# Altium PCB FMC_ADC_128CH_10B.PcbDoc (part 14 of 14)
Units mm, origin at the board's own origin, x right, y up, seen from the top; angles counter-clockwise.
Board outline 76.5 x 69 mm, 8 copper layers (Top Layer, Int1 (Sign), Int2 (GND), Int3 (Sign), Int4 (Sign), Int5 (GND), Int6 (Sign), Bottom Layer), stack 1.433 mm thick; 815 components, 661 nets, 3772 pads, 2072 vias.
Unrouted connection lines stored in the file: 135.
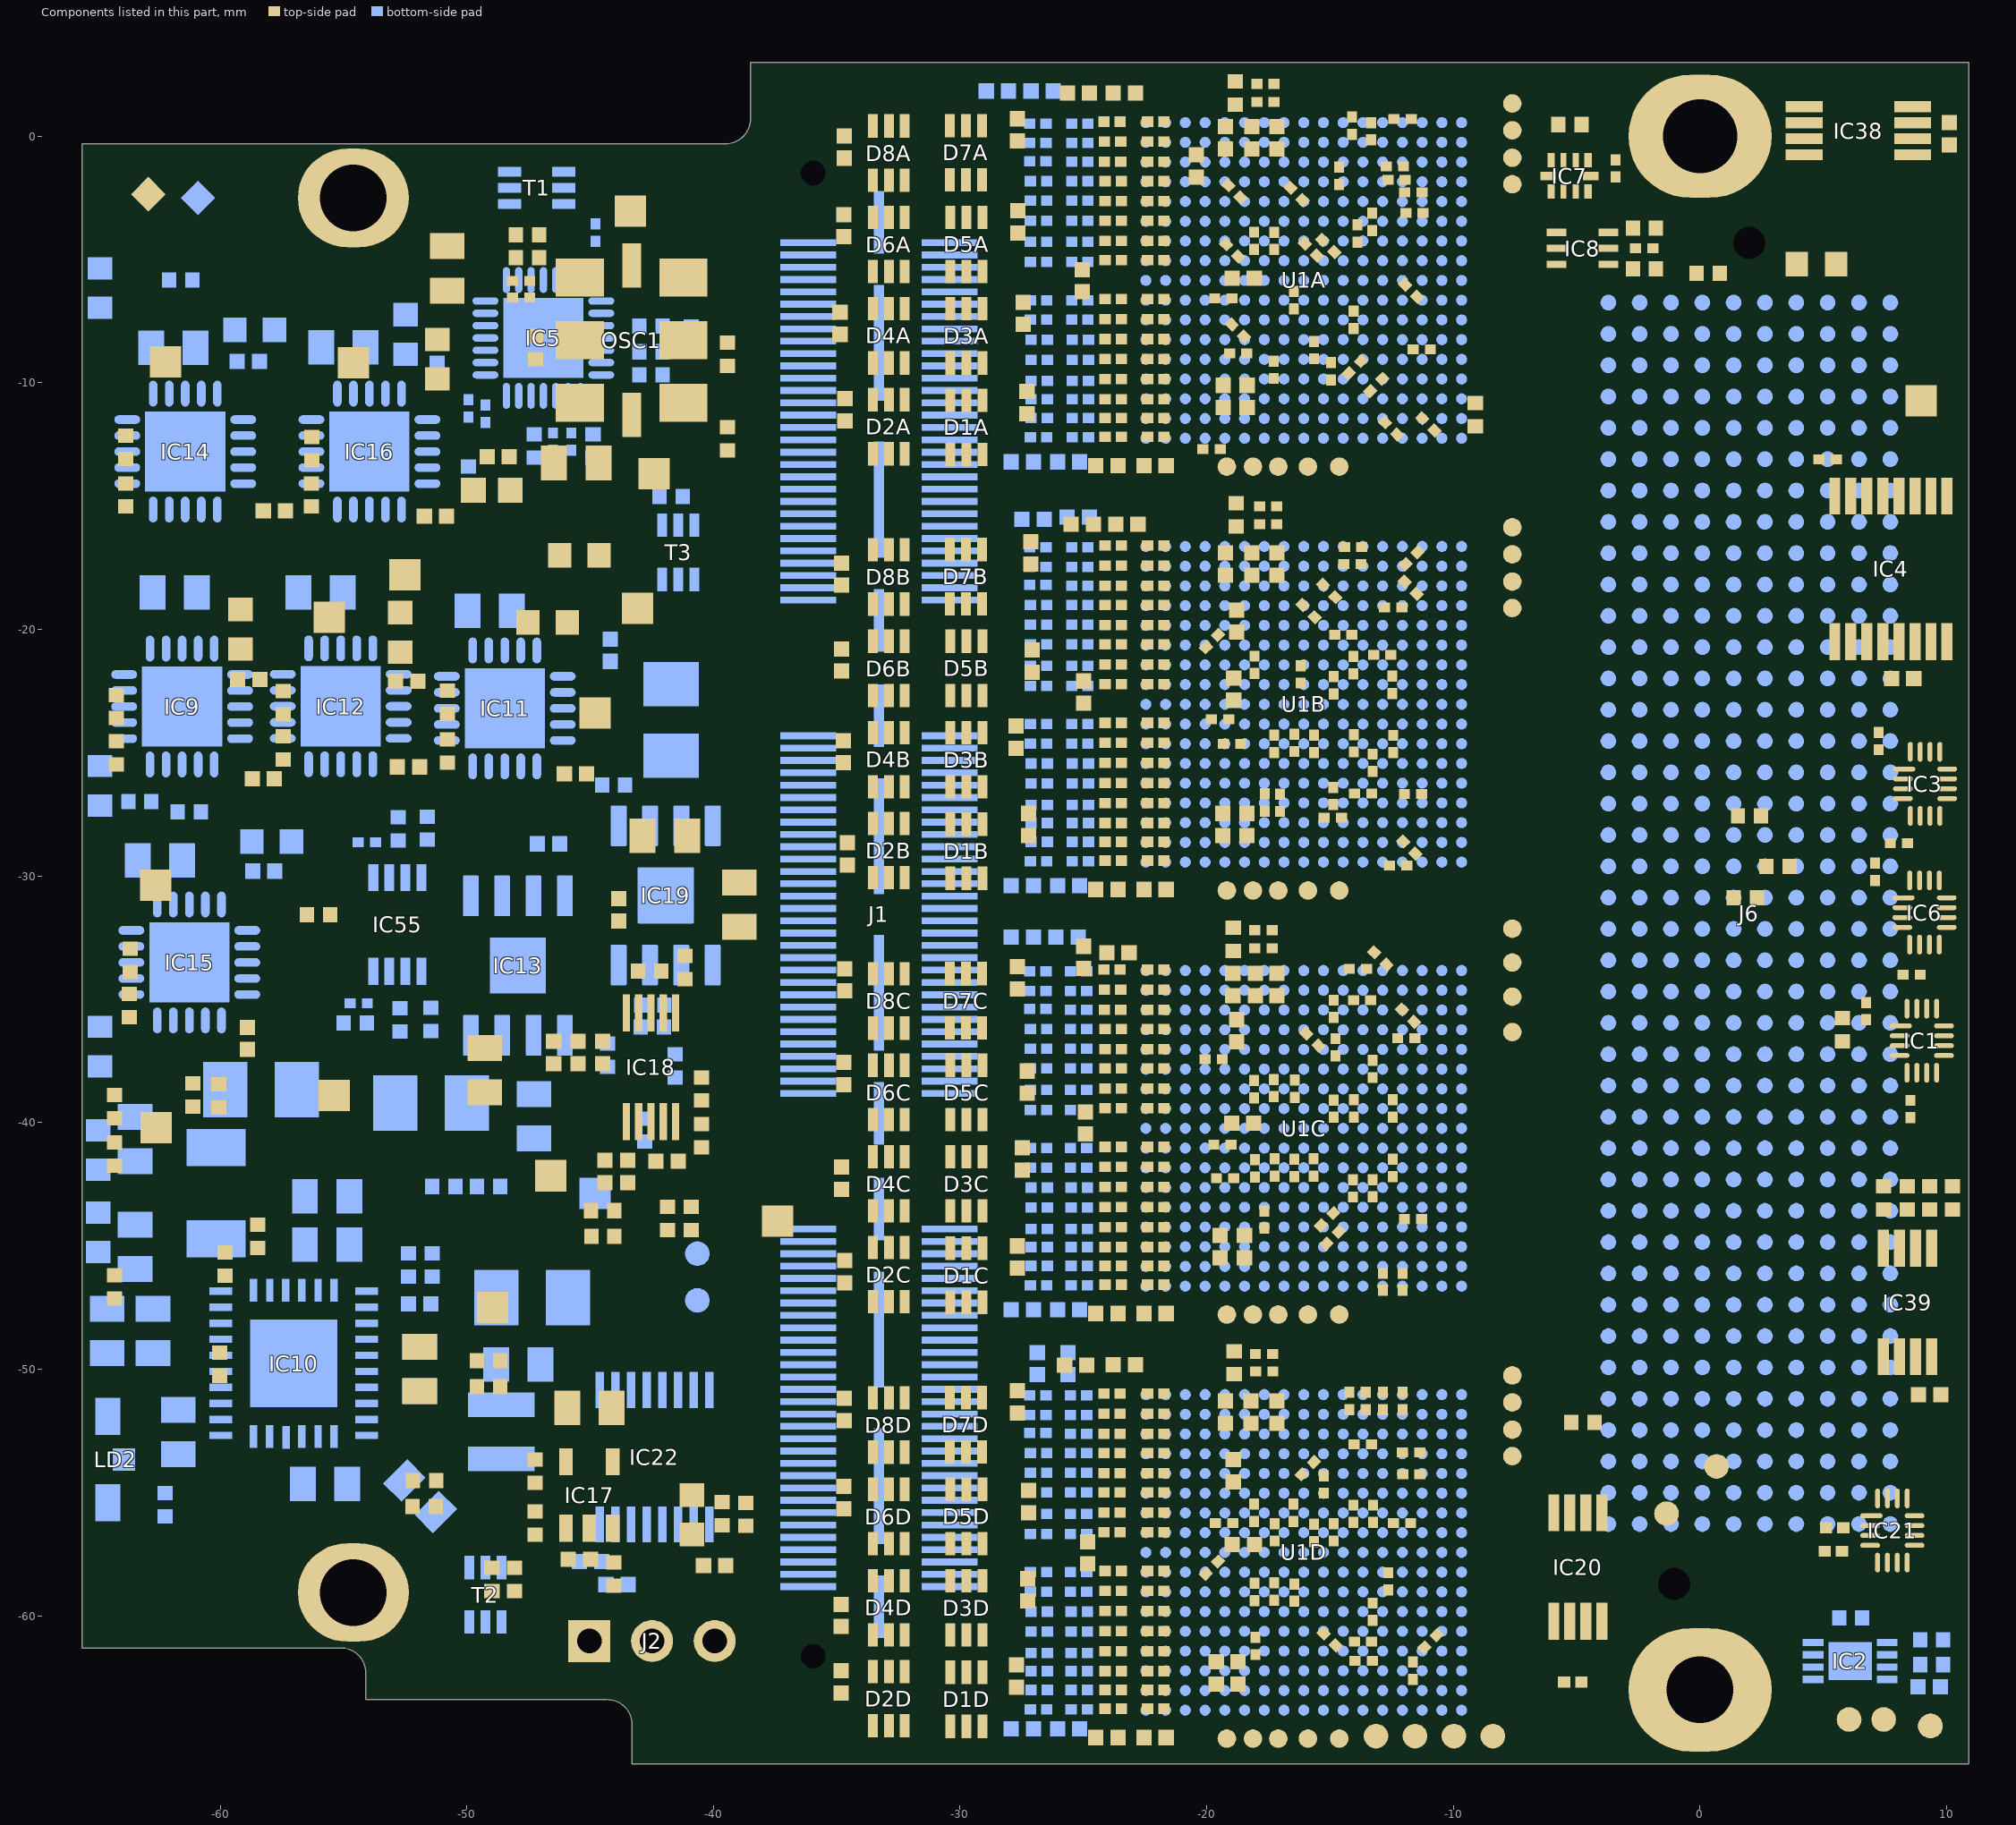
[diagram p20: the components of this part, seen from the top]

## Polygon pours and split planes (outlines as drawn) (continued)
GND on Int5 (GND) (split plane): 10.389,-65.49 -42.79,-65.49 -42.79,-64.4 -42.79,-64.398 -42.799,-64.231 -42.828,-64.064 -42.874,-63.901 -42.939,-63.745 -43.021,-63.596 -43.119,-63.458 -43.232,-63.332 -43.358,-63.219 -43.496,-63.121 -43.645,-63.039 -43.801,-62.974 -43.964,-62.928 -44.131,-62.899 -44.298,-62.89 -44.3,-62.89 -53.59,-62.89 -53.59,-62.3 -53.59,-62.298 -53.599,-62.131 -53.628,-61.964 -53.674,-61.801 -53.739,-61.645 -53.821,-61.496 -53.919,-61.358 -54.032,-61.232 -54.158,-61.119 -54.296,-61.021 -54.445,-60.939 -54.601,-60.874 -54.764,-60.828 -54.931,-60.799 -55.098,-60.79 -55.1,-60.79 -65.09,-60.79 -65.09,-0.81 -39.5,-0.81 -39.498,-0.81 -39.331,-0.801 -39.164,-0.773 -39.001,-0.726 -38.845,-0.661 -38.696,-0.579 -38.558,-0.481 -38.432,-0.368 -38.319,-0.242 -38.221,-0.104 -38.139,0.045 -38.074,0.201 -38.028,0.364 -37.999,0.531 -37.99,0.698 -37.99,0.7 -37.99,2.49 10.389,2.49

## Keep-outs
Keep-Out Layer:
  drawing of 5853 lines, arcs and shapes, not listed

## Other copper
Top Layer:
  rectangle net GND: -42.909,-31.636 -41.046,-29.696
  rectangle net GND: -48.966,-34.565 -47.103,-32.625
  rectangle net P1V8: -51.198,-19.91 -50.361,-18.488
  rectangle net GND: -62.868,-35.15 -59.615,-31.897
  rectangle net GND: -55.568,-14.386 -52.394,-11.147
  rectangle net GND: -58.896,-51.625 -55.157,-47.894
  rectangle net GND: -50.072,-24.854 -46.819,-21.601
  rectangle net GND: -56.672,-24.754 -53.419,-21.501
  rectangle net GND: -63.072,-14.354 -59.819,-11.101
  rectangle net GND: -63.172,-24.754 -59.919,-21.501
Int1 (Sign):
  rectangle net P1V8D: -12.858,-16.099 -11.574,-13.181
Bottom Layer:
  rectangle net NetC81_2: -62.12,-48.285 -61.216,-46.783
  rectangle net P1V4: -53.844,-43.854 -52.26,-42.406
  rectangle net P2V1: -64.211,-38.816 -61.452,-37.257
Int5 (GND) (plane layer: these items are gaps in the copper):
  rectangle: -22.975,-12.606 -19.935,0.766
  rectangle: -22.975,-29.795 -19.935,-16.423
  rectangle: -22.975,-46.99 -19.935,-33.618
  rectangle: -22.975,-64.186 -19.935,-50.814
Int2 (GND) (plane layer: these items are gaps in the copper):
  rectangle: -22.997,-64.184 -19.938,-50.871
  rectangle: -22.997,-46.988 -19.938,-33.675
  rectangle: -22.997,-29.792 -19.938,-16.479
  rectangle: -22.997,-12.604 -19.938,0.709

## Silkscreen, mask and mechanical layers (free items; w line width, h text height)
Top Overlay:
  drawing of 6 lines, arcs and shapes, not listed
  text "SCL" at -41.987,-3.349 h0.6
  text "P3V15A" at -63.89,-7.798 h0.6
  text "P1V2D" at -55.878,-7.849 h0.6
  text "SENEA" at 7.626,-9.295 h0.6
  text "2025" at -0.415,-13.312 h1
  text "SDA" at -40.802,-14.179 h0.6
  text "P1V8" at -53.446,-16.379 h0.6
  text "P1V9A" at -57.006,-18.184 h0.6
  text "P1V8A" at -41.786,-19.511 h0.6
  text "P1V8D" at -43.47,-23.611 h0.6
  text "P2V5A" at -61.256,-30.738 h0.6
  text "v1.1" at -2.522,-33.611 h1 r90
  text "FMC ADC 128CH 10B" at -4.202,-40.109 h1 r90
  text "GND" at -56.213,-40.743 h0.6
  text "P2V1" at -61.45,-41.067 h0.6
  text "V_PROT" at -51.408,-42.444 h0.6
  text "IN_N" at -38.693,-45.917 h0.6
  text "P3V3" at -47.586,-47.798 h0.6
  text "GND" at -45.831,-59.928 h0.6
  text "SCL" at -43.188,-59.928 h0.6
  text "SDA" at -40.699,-59.928 h0.6
  text "Reset" at -8.245,-63.725 h0.6 r90
  text "SDOUT" at -7.02,-63.725 h0.6 r90
  text "SCLK" at -4.425,-65.466 h0.6 r90
  text "SDIN" at -3.2,-65.466 h0.6 r90
  text "SCL" at 4.047,-65.55 h0.6
  text "SDA" at 6.501,-65.55 h0.6
Bottom Overlay:
  circle w0.1: c-54.6,-2.5 r1.025
  circle w0.1: c-54.6,-59.05 r1.025
  lines w0.1: -66.6,-56.8 -54.6,-56.8 cw(c-54.6,-59.05) -54.6,-61.3 -65.6,-61.3 -65.6,-60 -67.05,-60 ; -66.6,-56.775 -66.6,-4.775 ; -66.6,-4.75 -54.6,-4.75 ccw(c-54.6,-2.5) -54.6,-0.25 -65.6,-0.25 -65.6,-1.55 -67.05,-1.55 ; -55.6,-59.05 -53.6,-59.05 ; -55.6,-2.5 -53.6,-2.5 ; -54.6,-60.05 -54.6,-58.05 ; -54.6,-3.5 -54.6,-1.5 ; -68.65,-60 cw(c-67.85,-60) -67.05,-60 ; -68.65,-60 -68.65,-1.55 ; -68.65,-60 -69.1,-60 -69.1,-1.55 -68.65,-1.55 ; -68.65,-1.55 ccw(c-67.85,-1.55) -67.05,-1.55 ; -67.05,-60 -67.05,-1.55
  lines w0.15: -64.75,-46.26 -64.305,-46.704 -62.506,-46.704 ; -64.599,-39.371 -63.869,-38.641 -60.97,-38.641
  text "CLK SEL" at -65.193,-11.68 h0.6 r270
  text "P2V5A" at -65.327,-24.107 h0.6 r270
  text "P3V3_FMC" at -65.185,-34.173 h0.6 r270
  text "P1V8A" at -61.043,-38.358 h0.6
  text "EN_P1V2D" at -38.082,-43.155 h0.7
  text "TP16" at -41.405,-45.702 h0.7
  text "12V" at -60.878,-46.511 h0.65
  text "TP17" at -41.405,-47.449 h0.7
  text "Pgood" at -58.137,-56.196 h0.7
Mechanical 1:
  drawing of 672 lines, arcs and shapes, not listed
  text "Layer" at 43.954,65.703 h1.52
  text "Name" at 54.366,65.703 h1.52
  text "Material" at 88.138,65.703 h1.52
  text "Thickness" at 108.706,65.703 h1.52
  text "Constant" at 125.212,65.703 h1.52
  text "Board Layer Stack" at 139.687,65.703 h1.52
  text "Top Overlay" at 54.366,62.655 h1.52
  text "Top Solder" at 54.366,59.607 h1.52
  text "SM-001" at 88.138,59.607 h1.52
  text "0,025mm" at 108.706,59.607 h1.52
  text "4" at 125.212,59.607 h1.52
  text "Top Surface Finish" at 54.366,56.559 h1.52
  text "Nickel, Gold" at 88.138,56.559 h1.52
  text "0,004mm" at 108.706,56.559 h1.52
  text "1" at 43.954,53.511 h1.52
  text "Top Layer" at 54.366,53.511 h1.52
  text "CF-004" at 88.138,53.511 h1.52
  text "0,035mm" at 108.706,53.511 h1.52
  text "Dielectric 1" at 54.366,50.463 h1.52
  text "PP-006" at 88.138,50.463 h1.52
  text "0,071mm" at 108.706,50.463 h1.52
  text "4.1" at 125.212,50.463 h1.52
  text "Dielectric 2" at 54.366,47.415 h1.52
  text "PP-006" at 88.138,47.415 h1.52
  text "0,071mm" at 108.706,47.415 h1.52
  text "4.1" at 125.212,47.415 h1.52
  text "2" at 43.954,44.367 h1.52
  text "Int1 (Sign)" at 54.366,44.367 h1.52
  text "CF-004" at 88.138,44.367 h1.52
  text "0,018mm" at 108.706,44.367 h1.52
  text "Dielectric 3" at 54.366,41.319 h1.52
  text "Core-027" at 88.138,41.319 h1.52
  text "0,229mm" at 108.706,41.319 h1.52
  text "4.5" at 125.212,41.319 h1.52
  text "3" at 43.954,38.271 h1.52
  text "Int2 (GND)" at 54.366,38.271 h1.52
  text "CF-004" at 88.138,38.271 h1.52
  text "0,018mm" at 108.706,38.271 h1.52
  text "Dielectric 4" at 54.366,35.223 h1.52
  text "PP-006" at 88.138,35.223 h1.52
  text "0,071mm" at 108.706,35.223 h1.52
  text "4.1" at 125.212,35.223 h1.52
  text "Dielectric 5" at 54.366,32.175 h1.52
  text "PP-006" at 88.138,32.175 h1.52
  text "0,071mm" at 108.706,32.175 h1.52
  text "4.1" at 125.212,32.175 h1.52
  text "4" at 43.954,29.127 h1.52
  text "Int3 (Sign)" at 54.366,29.127 h1.52
  text "CF-004" at 88.138,29.127 h1.52
  text "0,018mm" at 108.706,29.127 h1.52
  text "Dielectric 6" at 54.366,26.079 h1.52
  text "Core-027" at 88.138,26.079 h1.52
  text "0,229mm" at 108.706,26.079 h1.52
  text "4.5" at 125.212,26.079 h1.52
  text "5" at 43.954,23.031 h1.52
  text "Int4 (Sign)" at 54.366,23.031 h1.52
  text "CF-004" at 88.138,23.031 h1.52
  text "0,018mm" at 108.706,23.031 h1.52
  text "Dielectric 7" at 54.366,19.983 h1.52
  text "PP-006" at 88.138,19.983 h1.52
  text "0,071mm" at 108.706,19.983 h1.52
  text "4.1" at 125.212,19.983 h1.52
  text "Dielectric 8" at 54.366,16.935 h1.52
  text "PP-006" at 88.138,16.935 h1.52
  text "0,071mm" at 108.706,16.935 h1.52
  text "4.1" at 125.212,16.935 h1.52
  text "6" at 43.954,13.887 h1.52
  text "Int5 (GND)" at 54.366,13.887 h1.52
  text "CF-004" at 88.138,13.887 h1.52
  text "0,018mm" at 108.706,13.887 h1.52
  text "Dielectric 9" at 54.366,10.839 h1.52
  text "Core-027" at 88.138,10.839 h1.52
  text "0,229mm" at 108.706,10.839 h1.52
  text "4.5" at 125.212,10.839 h1.52
  text "7" at 43.954,7.791 h1.52
  text "Int6 (Sign)" at 54.366,7.791 h1.52
  text "CF-004" at 88.138,7.791 h1.52
  text "0,018mm" at 108.706,7.791 h1.52
  text "Dielectric 10" at 54.366,4.743 h1.52
  text "PP-006" at 88.138,4.743 h1.52
  text "0,071mm" at 108.706,4.743 h1.52
  text "4.1" at 125.212,4.743 h1.52
  text "Dielectric 11" at 54.366,1.695 h1.52
  text "PP-006" at 88.138,1.695 h1.52
  text "0,071mm" at 108.706,1.695 h1.52
  text "4.1" at 125.212,1.695 h1.52
  text "8" at 43.954,-1.353 h1.52
  text "Bottom Layer" at 54.366,-1.353 h1.52
  text "CF-004" at 88.138,-1.353 h1.52
  text "0,035mm" at 108.706,-1.353 h1.52
  text "Bottom Surface Finish" at 54.366,-4.401 h1.52
  text "Nickel, Gold" at 88.138,-4.401 h1.52
  text "0,004mm" at 108.706,-4.401 h1.52
  text "Bottom Solder" at 54.366,-7.449 h1.52
  text "SM-001" at 88.138,-7.449 h1.52
  text "0,025mm" at 108.706,-7.449 h1.52
  text "4" at 125.212,-7.449 h1.52
  text "Bottom Overlay" at 54.366,-10.497 h1.52
  text "Total board thickness:" at 43.954,-13.545 h1.52
  text "1,492mm" at 108.706,-13.545 h1.52
Mechanical 5:
  lines w0.1: -70.6,-61.3 -65.6,-61.3 -65.6,-65.248 ; -70.6,3 -65.6,3 -65.6,8 ; -70.591,-66 -65.591,-66 -65.591,-71 ; -68.1,-0.3 -65.6,-0.3 -65.6,2.2 ; -56.6,-63.4 -54.1,-63.4 -54.1,-65.9 ; -45.8,-66 -43.3,-66 -43.3,-68.5 ; -41,3 -38.5,3 -38.5,5.5 ; 10.9,-71 10.9,-66 15.9,-66 ; 10.9,8 10.9,3 15.9,3
Mechanical 8:
  circle w0.1: c0,0 r2.9
  circle w0.1: c0,-63 r2.9
  circle w0.1: c-1.05,-58.7 r0.65
  circle w0.1: c0,0 r1.35
  circle w0.1: c2,-4.3 r0.65
  circle w0.1: c0,-63 r1.35
  circle w0.1: c-54.6,-2.5 r1.35
  circle w0.1: c-54.6,-59.05 r1.35
  lines w0.025: -56.868,-30.421 -40.068,-27.421 ; -56.868,-27.421 -40.068,-30.421 ; -56.868,-25.051 -40.068,-17.551 ; -56.868,-17.551 -40.068,-25.051
  lines w0.1: -65.6,-55.8 -34.6,-55.8 -34.6,-5.8 -65.6,-5.8 ; -55.6,-59.05 -54.6,-59.05 ; -55.6,-2.5 -54.6,-2.5 ; -54.6,-60.05 -54.6,-59.05 ; -54.6,-58.05 -54.6,-59.05 ; -54.6,-3.5 -54.6,-2.5 ; -54.6,-1.5 -54.6,-2.5 ; -53.6,-59.05 -54.6,-59.05 ; -53.6,-2.5 -54.6,-2.5 ; -2.05,-58.7 -1.05,-58.7 ; -1.05,-59.7 -1.05,-58.7 ; -1.05,-57.7 -1.05,-58.7 ; -1.005,-7.885 6.615,-7.885 7.25,-7.25 ; -1,-63 0,-63 ; -1,0 0,0 ; -0.05,-58.7 -1.05,-58.7 ; 0,-64 0,-63 ; 0,-62 0,-63 ; 0,-1 0,0 ; 0,1 0,0 ; 1,-63 0,-63 ; 1,-4.3 2,-4.3 ; 1,0 0,0 ; 2,-5.3 2,-4.3 ; 2,-3.3 2,-4.3 ; 3,-4.3 2,-4.3 ; 6.615,-7.25 7.25,-7.25 ; 6.7,-6.7 7.7,-6.7 ; 7.25,-7.885 7.25,-7.25 ; 7.7,-7.7 7.7,-6.7 ; 7.7,-5.7 7.7,-6.7 ; 8.7,-6.7 7.7,-6.7
  text "Position of pin A1" at -14,-8 h1
  text "of the BOTTOM FMC Connector" at -14,-9.75 h1
Mechanical 13:
  lines w0.1: -36.268,-60.031 -36.268,-3.059 -34.744,-1.535 -30.299,-1.535 -30.299,-61.555 -34.744,-61.555 -36.268,-60.031
Drill Drawing:
  circle w0.254: c44.024,-20.499 r0.847
  lines w0.254: 43.177,-43.783 43.601,-43.783 44.024,-44.206 44.447,-43.783 44.871,-43.783 44.447,-43.359 44.871,-42.936 44.447,-42.936 44.024,-42.513 43.601,-42.936 43.177,-42.936 43.601,-43.359 43.177,-43.783 ; 43.177,-40.396 43.177,-39.973 43.601,-39.549 43.177,-39.126 43.177,-38.703 43.601,-38.703 44.024,-39.126 44.447,-38.703 44.871,-38.703 44.871,-39.126 44.447,-39.549 44.871,-39.973 44.871,-40.396 44.447,-40.396 44.024,-39.973 43.601,-40.396 43.177,-40.396 ; 43.177,-36.586 44.871,-36.586 44.871,-34.893 43.177,-34.893 43.177,-36.586 ; 43.177,-32.353 43.601,-32.353 43.601,-32.776 44.447,-32.776 44.447,-32.353 44.871,-32.353 44.871,-31.506 44.447,-31.506 44.447,-31.083 43.601,-31.083 43.601,-31.506 43.177,-31.506 43.177,-32.353 ; 43.177,-27.273 44.871,-27.273 44.024,-28.966 43.177,-27.273 ; 43.177,-25.156 44.024,-24.733 44.871,-25.156 44.447,-24.309 44.871,-23.463 44.024,-23.886 43.177,-23.463 43.601,-24.309 43.177,-25.156
  lines w0.381: 41.659,-49.159 263.187,-49.159 ; 41.659,-18.679 263.187,-18.679 ; 55.651,-52.969 55.651,-14.869 ; 72.41,-52.969 72.41,-14.869 ; 101.612,-52.969 101.612,-14.869 ; 114.461,-52.969 114.461,-14.869 ; 133.1,-52.969 133.1,-14.869 ; 171.188,-52.969 171.188,-14.869 ; 186.17,-52.969 186.17,-14.869 ; 205.114,-52.969 205.114,-14.869 ; 221.924,-52.969 221.924,-14.869 ; 41.659,-52.969 263.187,-52.969 263.187,-14.869 41.659,-14.869 41.659,-52.969
  text "Symbol" at 43.945,-17.536 h1.83
  text "Count" at 56.794,-17.536 h1.83
  text "Hole Size" at 73.553,-17.536 h1.83
  text "Plated" at 102.755,-17.536 h1.83
  text "Hole Type" at 115.604,-17.536 h1.83
  text "Drill Layer Pair" at 134.243,-17.536 h1.83
  text "Via/Pad" at 172.331,-17.536 h1.83
  text "Pad Shape" at 187.313,-17.536 h1.83
  text "Via Type" at 206.257,-17.536 h1.83
  text "Via Feature" at 223.067,-17.536 h1.83
  text "1817" at 56.794,-21.346 h1.52
  text "0.200mm (7.87mil)" at 73.553,-21.346 h1.52
  text "PTH" at 102.755,-21.346 h1.52
  text "Round" at 115.604,-21.346 h1.52
  text "Top Layer - Bottom Layer" at 134.243,-21.346 h1.52
  text "Via" at 172.331,-21.346 h1.52
  text "Rounded" at 187.313,-21.346 h1.52
  text "171" at 56.794,-25.156 h1.52
  text "0.200mm (7.87mil)" at 73.553,-25.156 h1.52
  text "PTH" at 102.755,-25.156 h1.52
  text "Round" at 115.604,-25.156 h1.52
  text "Top Layer - Bottom Layer" at 134.243,-25.156 h1.52
  text "Via" at 172.331,-25.156 h1.52
  text "Rounded" at 187.313,-25.156 h1.52
  text "Type 7" at 206.257,-25.156 h1.52
  text "Filling Both, Capping Both" at 223.067,-25.156 h1.52
  text "84" at 56.794,-28.966 h1.52
  text "0.300mm (11.81mil)" at 73.553,-28.966 h1.52
  text "PTH" at 102.755,-28.966 h1.52
  text "Round" at 115.604,-28.966 h1.52
  text "Top Layer - Bottom Layer" at 134.243,-28.966 h1.52
  text "Via" at 172.331,-28.966 h1.52
  text "Rounded" at 187.313,-28.966 h1.52
  text "2" at 56.794,-32.776 h1.52
  text "1.000mm (39.37mil)" at 73.553,-32.776 h1.52
  text "NPTH" at 102.755,-32.776 h1.52
  text "Round" at 115.604,-32.776 h1.52
  text "Top Layer - Bottom Layer" at 134.243,-32.776 h1.52
  text "Pad" at 172.331,-32.776 h1.52
  text "Rounded" at 187.313,-32.776 h1.52
  text "3" at 56.794,-36.586 h1.52
  text "1.000mm (39.37mil)" at 73.553,-36.586 h1.52
  text "PTH" at 102.755,-36.586 h1.52
  text "Round" at 115.604,-36.586 h1.52
  text "Top Layer - Bottom Layer" at 134.243,-36.586 h1.52
  text "Pad" at 172.331,-36.586 h1.52
  text "(Mixed)" at 187.313,-36.586 h1.52
  text "2" at 56.794,-40.396 h1.52
  text "1.300mm (51.18mil)" at 73.553,-40.396 h1.52
  text "NPTH" at 102.755,-40.396 h1.52
  text "Round" at 115.604,-40.396 h1.52
  text "Top Layer - Bottom Layer" at 134.243,-40.396 h1.52
  text "Pad" at 172.331,-40.396 h1.52
  text "Rounded" at 187.313,-40.396 h1.52
  text "3" at 56.794,-44.206 h1.52
  text "2.700mm (106.30mil)" at 73.553,-44.206 h1.52
  text "PTH" at 102.755,-44.206 h1.52
  text "Round" at 115.604,-44.206 h1.52
  text "Top Layer - Bottom Layer" at 134.243,-44.206 h1.52
  text "Pad" at 172.331,-44.206 h1.52
  text "Rounded" at 187.313,-44.206 h1.52
  text "1" at 56.794,-48.016 h1.52
  text "3.000mm (118.11mil)" at 73.553,-48.016 h1.52
  text "PTH" at 102.755,-48.016 h1.52
  text "Round" at 115.604,-48.016 h1.52
  text "Top Layer - Bottom Layer" at 134.243,-48.016 h1.52
  text "Pad" at 172.331,-48.016 h1.52
  text "Rounded" at 187.313,-48.016 h1.52
  text "A" at 43.206,-48.27 h1.69
  text "2083 Total" at 56.794,-51.826 h1.52

## Text inside footprints (layer, text, board x,y; h text height)
IC22: Mechanical 13 "*" at -43.533,-51.638 h1.27 r90
J6: Mechanical 14 "1" at -6.075,-6.092 h1 r180; Mechanical 14 "40" at -5.052,-58.634 h1 r270; Mechanical 14 "k" at -3.916,-1.52 h1 r180; Mechanical 14 "j" at -2.773,-1.647 h1 r180; Mechanical 14 "g" at -0.233,-1.647 h1 r180; Mechanical 14 "h" at -1.558,-1.537 h1 r180; Mechanical 14 "f" at 1.037,-1.393 h1 r180; Mechanical 14 "e" at 2.305,-1.56 h1 r180; Mechanical 14 "d" at 3.543,-1.52 h1 r180; Mechanical 14 "c" at 4.919,-1.537 h1 r180; Mechanical 14 "b" at 6.189,-1.537 h1 r180; Mechanical 14 "a" at 7.459,-1.537 h1 r180; Bottom Overlay "1" at -6.075,-6.092 h1 r180; Bottom Overlay "40" at -5.052,-58.634 h1 r270; Bottom Overlay "k" at -3.916,-1.52 h1 r180; Bottom Overlay "j" at -2.773,-1.647 h1 r180; Bottom Overlay "g" at -0.233,-1.647 h1 r180; Bottom Overlay "h" at -1.558,-1.537 h1 r180; Bottom Overlay "f" at 1.037,-1.393 h1 r180; Bottom Overlay "a" at 7.459,-1.537 h1 r180; Bottom Overlay "b" at 6.189,-1.537 h1 r180; Bottom Overlay "c" at 4.919,-1.537 h1 r180; Bottom Overlay "d" at 3.543,-1.52 h1 r180; Bottom Overlay "e" at 2.305,-1.56 h1 r180
LD2: Mechanical 8 "K" at -64.803,-55.139 h0.5 r270
U1A: Mechanical 14 "U" at -9.367,2.455 h0.6 r90; Mechanical 14 "T" at -10.167,2.455 h0.6 r90; Mechanical 14 "R" at -10.967,2.455 h0.6 r90; Mechanical 14 "P" at -11.767,2.455 h0.6 r90; Mechanical 14 "N" at -12.567,2.455 h0.6 r90; Mechanical 14 "M" at -13.367,2.455 h0.6 r90; Mechanical 14 "L" at -14.167,2.455 h0.6 r90; Mechanical 14 "K" at -14.967,2.455 h0.6 r90; Mechanical 14 "J" at -15.767,2.455 h0.6 r90; Mechanical 14 "H" at -16.567,2.455 h0.6 r90; Mechanical 14 "G" at -17.367,2.455 h0.6 r90; Mechanical 14 "F" at -18.167,2.455 h0.6 r90; Mechanical 14 "E" at -18.967,2.455 h0.6 r90; Mechanical 14 "D" at -19.767,2.455 h0.6 r90; Mechanical 14 "C" at -20.567,2.455 h0.6 r90; Mechanical 14 "B" at -21.367,2.455 h0.6 r90; Mechanical 14 "A" at -22.167,2.455 h0.6 r90; Mechanical 14 "1" at -23.867,0.255 h0.6; Mechanical 14 "2" at -23.867,-0.545 h0.6; Mechanical 14 "3" at -23.867,-1.345 h0.6; Mechanical 14 "4" at -23.867,-2.145 h0.6; Mechanical 14 "5" at -23.867,-2.945 h0.6; Mechanical 14 "6" at -23.867,-3.745 h0.6; Mechanical 14 "7" at -23.867,-4.545 h0.6; Mechanical 14 "8" at -23.867,-5.345 h0.6; Mechanical 14 "9" at -23.867,-6.145 h0.6; Mechanical 14 "10" at -23.867,-6.945 h0.6; Mechanical 14 "11" at -23.867,-7.745 h0.6; Mechanical 14 "12" at -23.867,-8.545 h0.6; Mechanical 14 "13" at -23.867,-9.345 h0.6; Mechanical 14 "14" at -23.867,-10.145 h0.6; Mechanical 14 "15" at -23.867,-10.945 h0.6; Mechanical 14 "16" at -23.867,-11.745 h0.6; Mechanical 14 "17" at -23.867,-12.545 h0.6
U1B: Mechanical 14 "17" at -23.867,-29.734 h0.6; Mechanical 14 "16" at -23.867,-28.934 h0.6; Mechanical 14 "15" at -23.867,-28.134 h0.6; Mechanical 14 "14" at -23.867,-27.334 h0.6; Mechanical 14 "13" at -23.867,-26.534 h0.6; Mechanical 14 "12" at -23.867,-25.734 h0.6; Mechanical 14 "11" at -23.867,-24.934 h0.6; Mechanical 14 "10" at -23.867,-24.134 h0.6; Mechanical 14 "9" at -23.867,-23.334 h0.6; Mechanical 14 "8" at -23.867,-22.534 h0.6; Mechanical 14 "7" at -23.867,-21.734 h0.6; Mechanical 14 "6" at -23.867,-20.934 h0.6; Mechanical 14 "5" at -23.867,-20.134 h0.6; Mechanical 14 "4" at -23.867,-19.334 h0.6; Mechanical 14 "3" at -23.867,-18.534 h0.6; Mechanical 14 "2" at -23.867,-17.734 h0.6; Mechanical 14 "1" at -23.867,-16.934 h0.6; Mechanical 14 "A" at -22.167,-14.734 h0.6 r90; Mechanical 14 "B" at -21.367,-14.734 h0.6 r90; Mechanical 14 "C" at -20.567,-14.734 h0.6 r90; Mechanical 14 "D" at -19.767,-14.734 h0.6 r90; Mechanical 14 "E" at -18.967,-14.734 h0.6 r90; Mechanical 14 "F" at -18.167,-14.734 h0.6 r90; Mechanical 14 "G" at -17.367,-14.734 h0.6 r90; Mechanical 14 "H" at -16.567,-14.734 h0.6 r90; Mechanical 14 "J" at -15.767,-14.734 h0.6 r90; Mechanical 14 "K" at -14.967,-14.734 h0.6 r90; Mechanical 14 "L" at -14.167,-14.734 h0.6 r90; Mechanical 14 "M" at -13.367,-14.734 h0.6 r90; Mechanical 14 "N" at -12.567,-14.734 h0.6 r90; Mechanical 14 "P" at -11.767,-14.734 h0.6 r90; Mechanical 14 "R" at -10.967,-14.734 h0.6 r90; Mechanical 14 "T" at -10.167,-14.734 h0.6 r90; Mechanical 14 "U" at -9.367,-14.734 h0.6 r90
U1C: Mechanical 14 "17" at -23.867,-46.93 h0.6; Mechanical 14 "16" at -23.867,-46.13 h0.6; Mechanical 14 "15" at -23.867,-45.33 h0.6; Mechanical 14 "14" at -23.867,-44.53 h0.6; Mechanical 14 "13" at -23.867,-43.73 h0.6; Mechanical 14 "12" at -23.867,-42.93 h0.6; Mechanical 14 "11" at -23.867,-42.13 h0.6; Mechanical 14 "10" at -23.867,-41.33 h0.6; Mechanical 14 "9" at -23.867,-40.53 h0.6; Mechanical 14 "8" at -23.867,-39.73 h0.6; Mechanical 14 "7" at -23.867,-38.93 h0.6; Mechanical 14 "6" at -23.867,-38.13 h0.6; Mechanical 14 "5" at -23.867,-37.33 h0.6; Mechanical 14 "4" at -23.867,-36.53 h0.6; Mechanical 14 "3" at -23.867,-35.73 h0.6; Mechanical 14 "2" at -23.867,-34.93 h0.6; Mechanical 14 "1" at -23.867,-34.13 h0.6; Mechanical 14 "A" at -22.167,-31.93 h0.6 r90; Mechanical 14 "B" at -21.367,-31.93 h0.6 r90; Mechanical 14 "C" at -20.567,-31.93 h0.6 r90; Mechanical 14 "D" at -19.767,-31.93 h0.6 r90; Mechanical 14 "E" at -18.967,-31.93 h0.6 r90; Mechanical 14 "F" at -18.167,-31.93 h0.6 r90; Mechanical 14 "G" at -17.367,-31.93 h0.6 r90; Mechanical 14 "H" at -16.567,-31.93 h0.6 r90; Mechanical 14 "J" at -15.767,-31.93 h0.6 r90; Mechanical 14 "K" at -14.967,-31.93 h0.6 r90; Mechanical 14 "L" at -14.167,-31.93 h0.6 r90; Mechanical 14 "M" at -13.367,-31.93 h0.6 r90; Mechanical 14 "N" at -12.567,-31.93 h0.6 r90; Mechanical 14 "P" at -11.767,-31.93 h0.6 r90; Mechanical 14 "R" at -10.967,-31.93 h0.6 r90; Mechanical 14 "T" at -10.167,-31.93 h0.6 r90; Mechanical 14 "U" at -9.367,-31.93 h0.6 r90
U1D: Mechanical 14 "17" at -23.867,-64.125 h0.6; Mechanical 14 "16" at -23.867,-63.325 h0.6; Mechanical 14 "15" at -23.867,-62.525 h0.6; Mechanical 14 "14" at -23.867,-61.725 h0.6; Mechanical 14 "13" at -23.867,-60.925 h0.6; Mechanical 14 "12" at -23.867,-60.125 h0.6; Mechanical 14 "11" at -23.867,-59.325 h0.6; Mechanical 14 "10" at -23.867,-58.525 h0.6; Mechanical 14 "9" at -23.867,-57.725 h0.6; Mechanical 14 "8" at -23.867,-56.925 h0.6; Mechanical 14 "7" at -23.867,-56.125 h0.6; Mechanical 14 "6" at -23.867,-55.325 h0.6; Mechanical 14 "5" at -23.867,-54.525 h0.6; Mechanical 14 "4" at -23.867,-53.725 h0.6; Mechanical 14 "3" at -23.867,-52.925 h0.6; Mechanical 14 "2" at -23.867,-52.125 h0.6; Mechanical 14 "1" at -23.867,-51.325 h0.6; Mechanical 14 "A" at -22.167,-49.125 h0.6 r90; Mechanical 14 "B" at -21.367,-49.125 h0.6 r90; Mechanical 14 "C" at -20.567,-49.125 h0.6 r90; Mechanical 14 "D" at -19.767,-49.125 h0.6 r90; Mechanical 14 "E" at -18.967,-49.125 h0.6 r90; Mechanical 14 "F" at -18.167,-49.125 h0.6 r90; Mechanical 14 "G" at -17.367,-49.125 h0.6 r90; Mechanical 14 "H" at -16.567,-49.125 h0.6 r90; Mechanical 14 "J" at -15.767,-49.125 h0.6 r90; Mechanical 14 "K" at -14.967,-49.125 h0.6 r90; Mechanical 14 "L" at -14.167,-49.125 h0.6 r90; Mechanical 14 "M" at -13.367,-49.125 h0.6 r90; Mechanical 14 "N" at -12.567,-49.125 h0.6 r90; Mechanical 14 "P" at -11.767,-49.125 h0.6 r90; Mechanical 14 "R" at -10.967,-49.125 h0.6 r90; Mechanical 14 "T" at -10.167,-49.125 h0.6 r90; Mechanical 14 "U" at -9.367,-49.125 h0.6 r90